# Altium PCB UHF_RFID_PROJECT.PcbDoc (part 1 of 3)
Units mm, origin at the board's own origin, x right, y up, seen from the top; angles counter-clockwise.
Board outline 81.68 x 108.59 mm, 6 copper layers (Top Layer, RF_Ground, Power, Gnd, Routing, Bottom_Gnd), stack 1.355 mm thick; 305 components, 201 nets, 970 pads, 479 vias.
Unrouted connection lines stored in the file: 2.
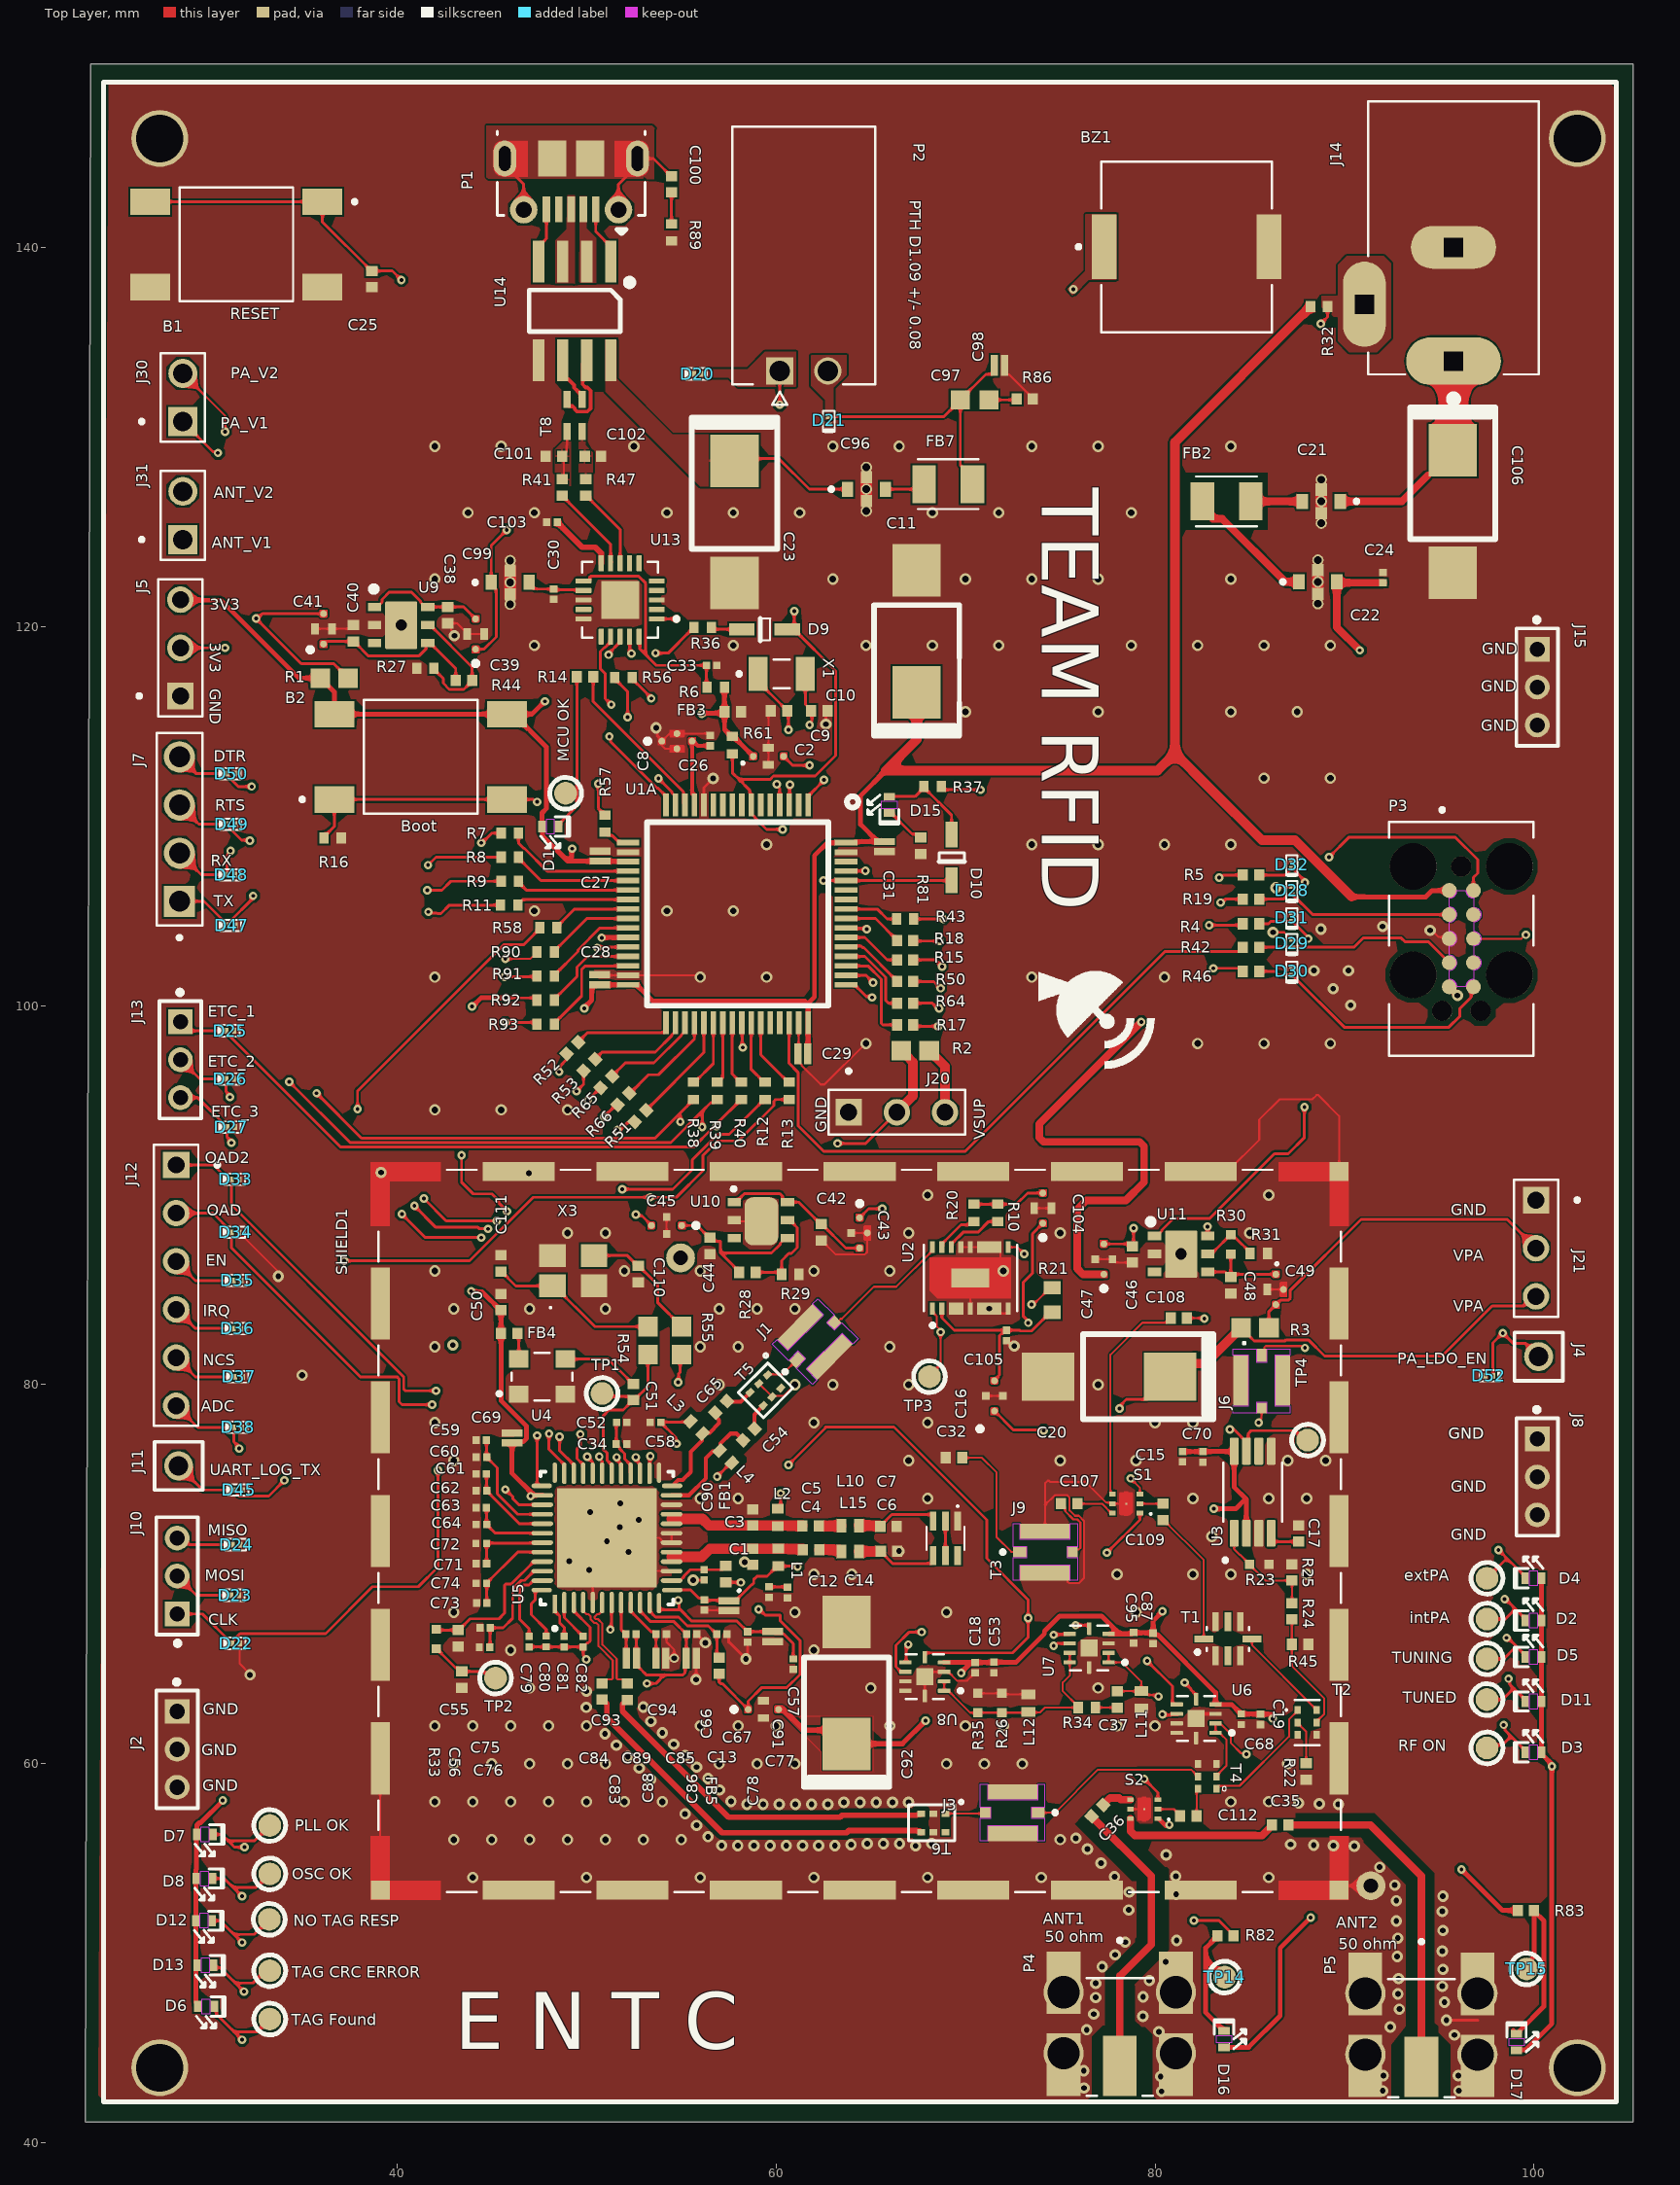
[diagram p0: Top Layer view]
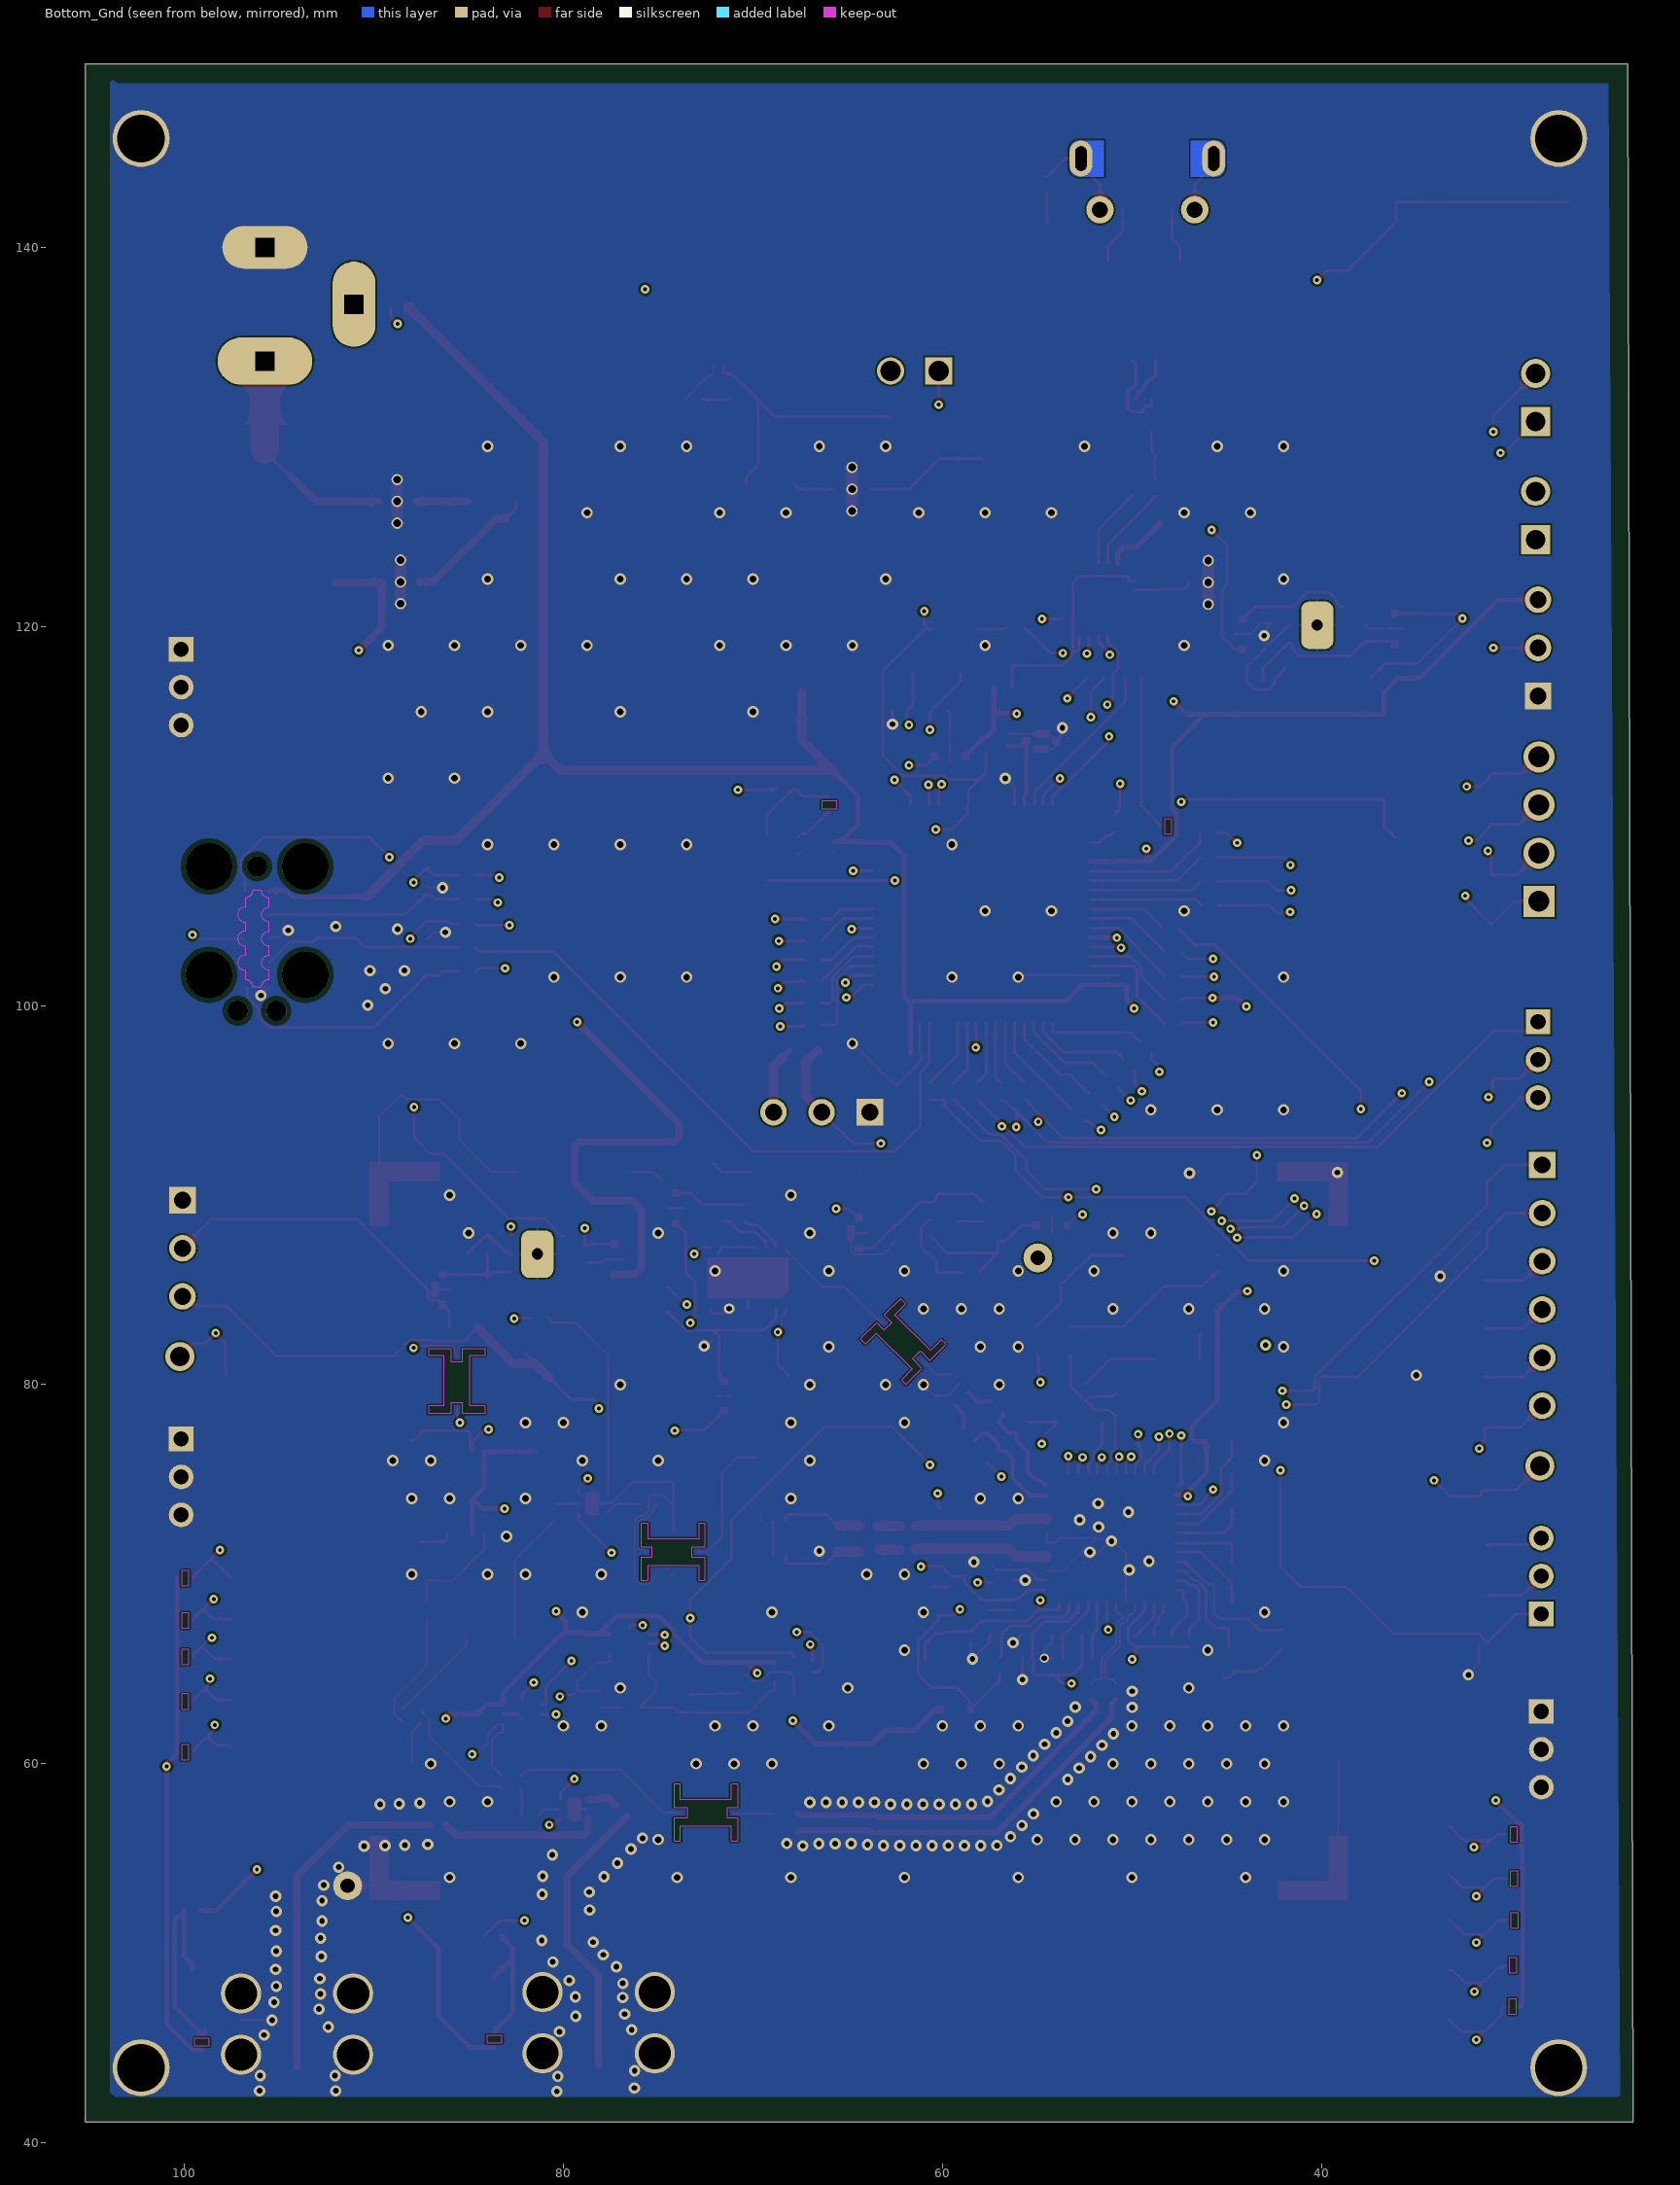
[diagram p1: Bottom_Gnd view, seen from below]
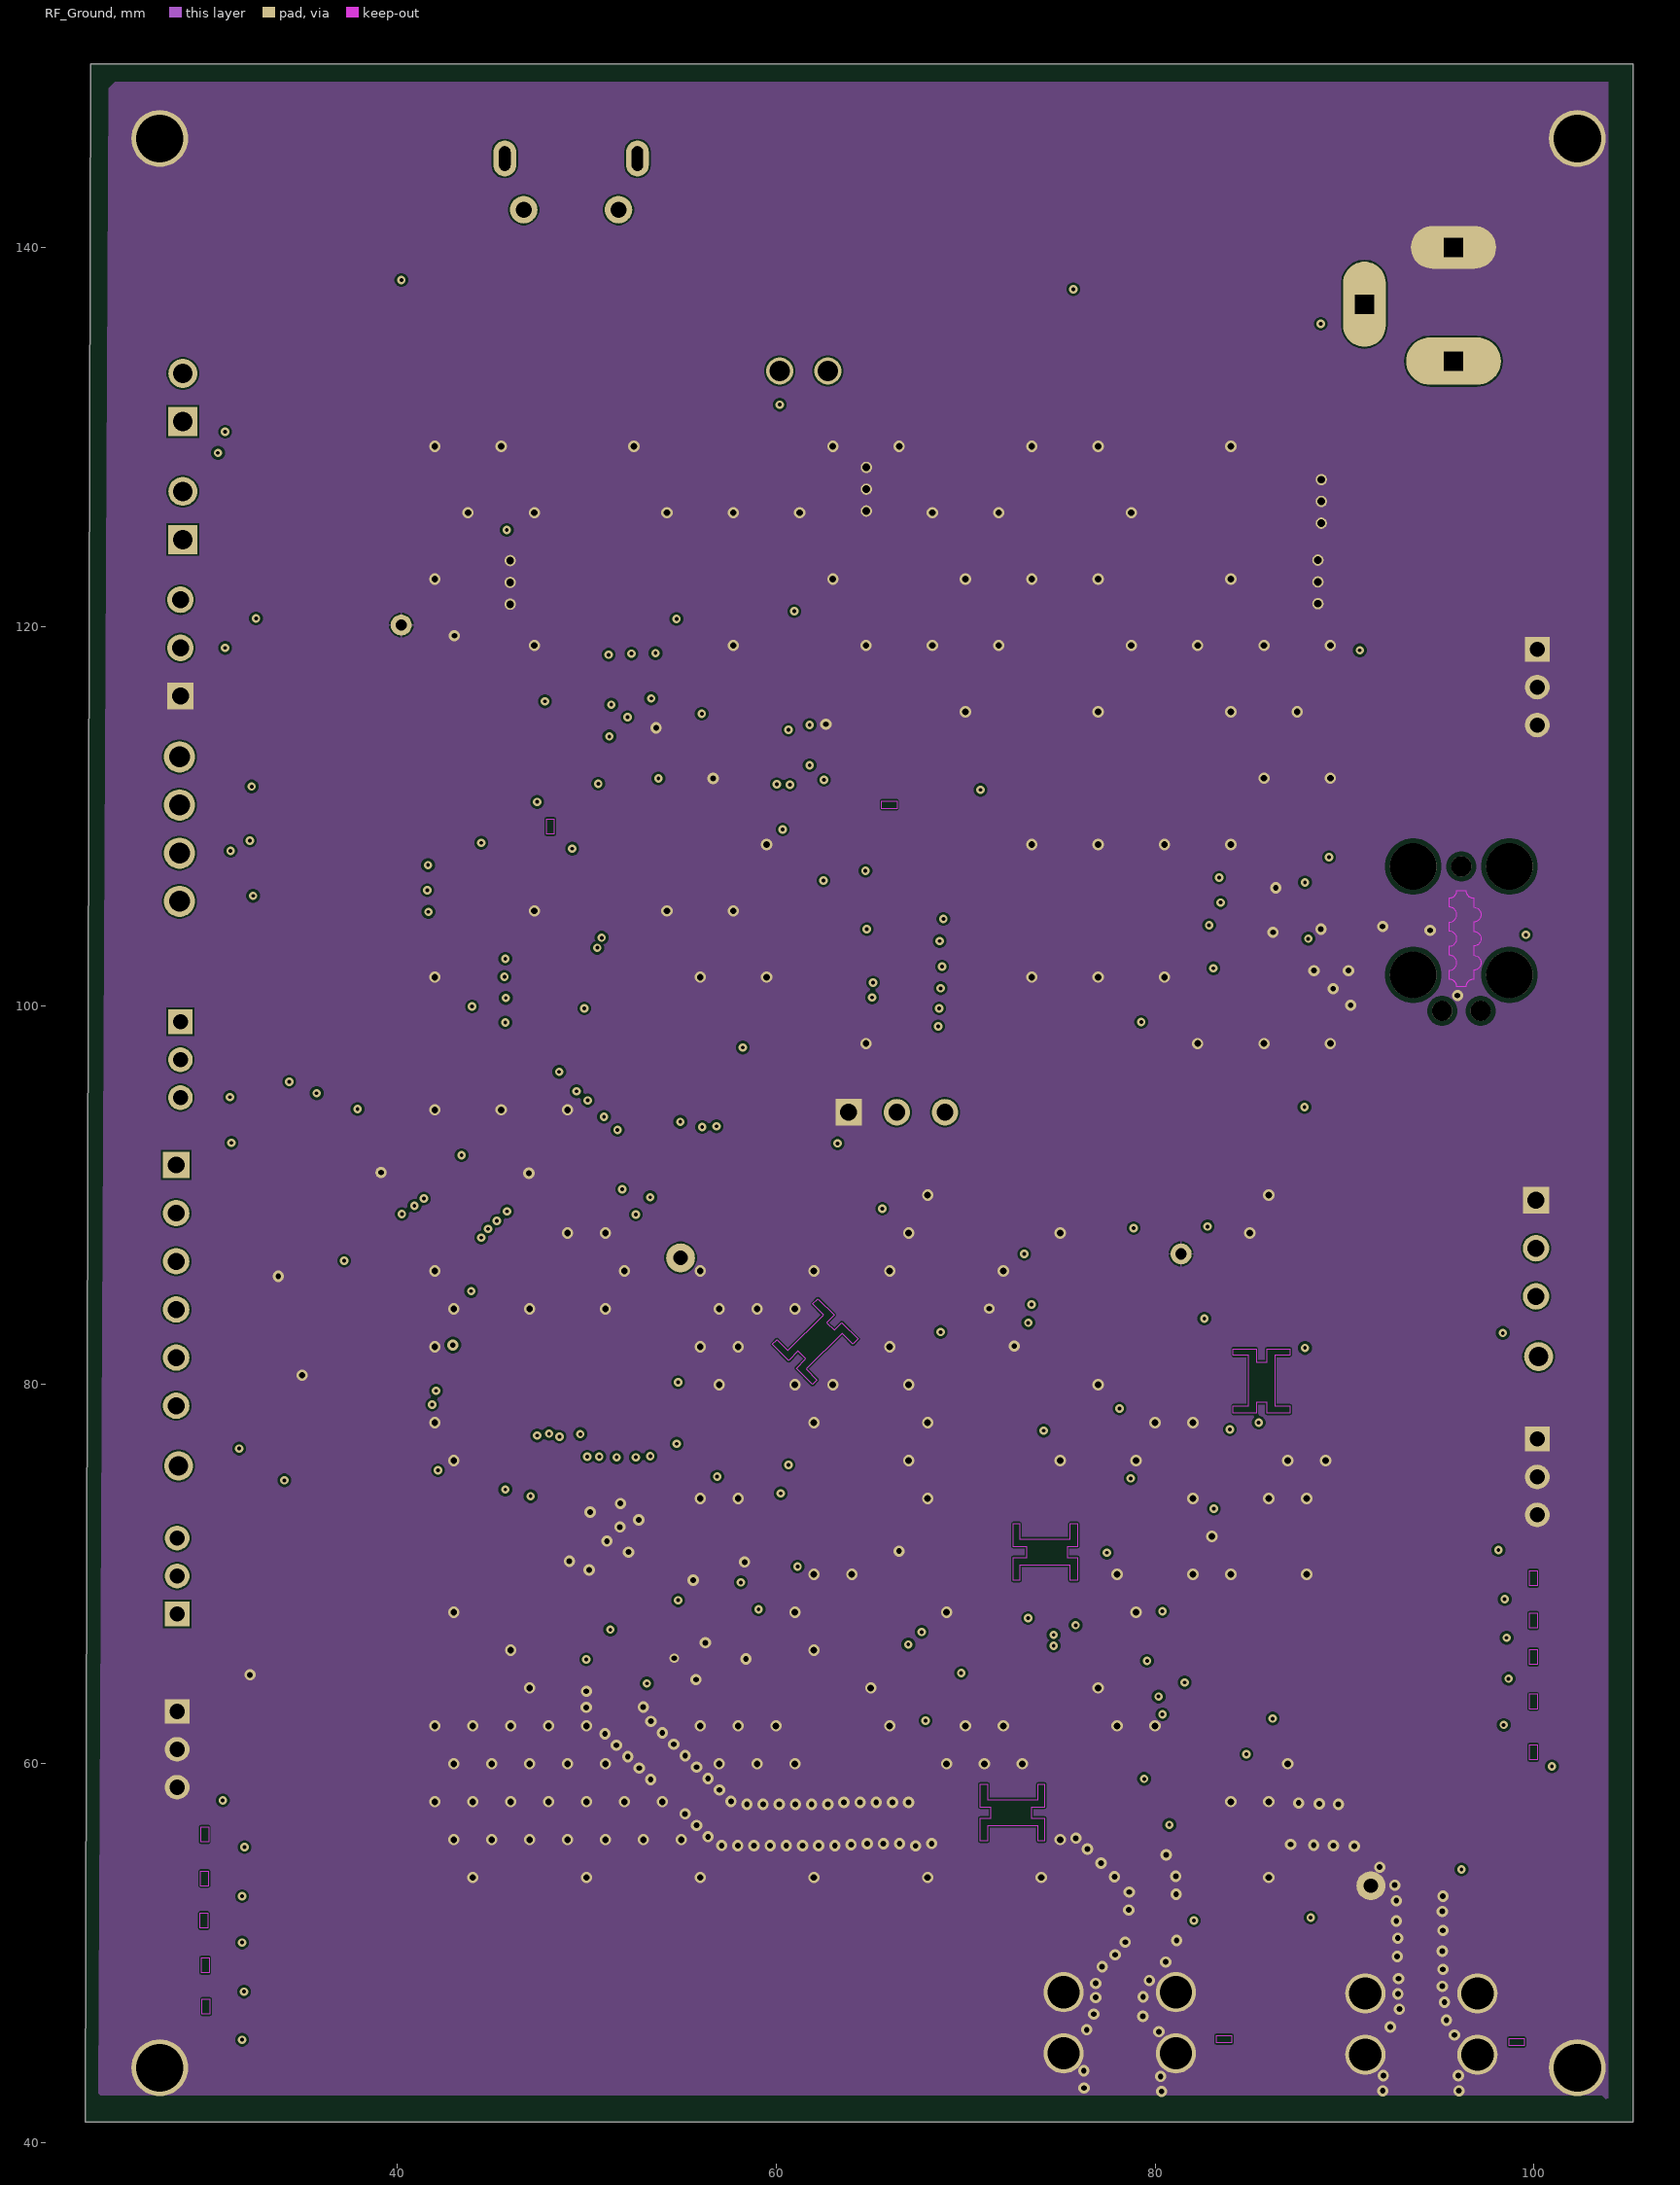
[diagram p2: RF_Ground]